# Altium PCB Thermostat_8CH.PCBDOC (part 5 of 10) (continued)
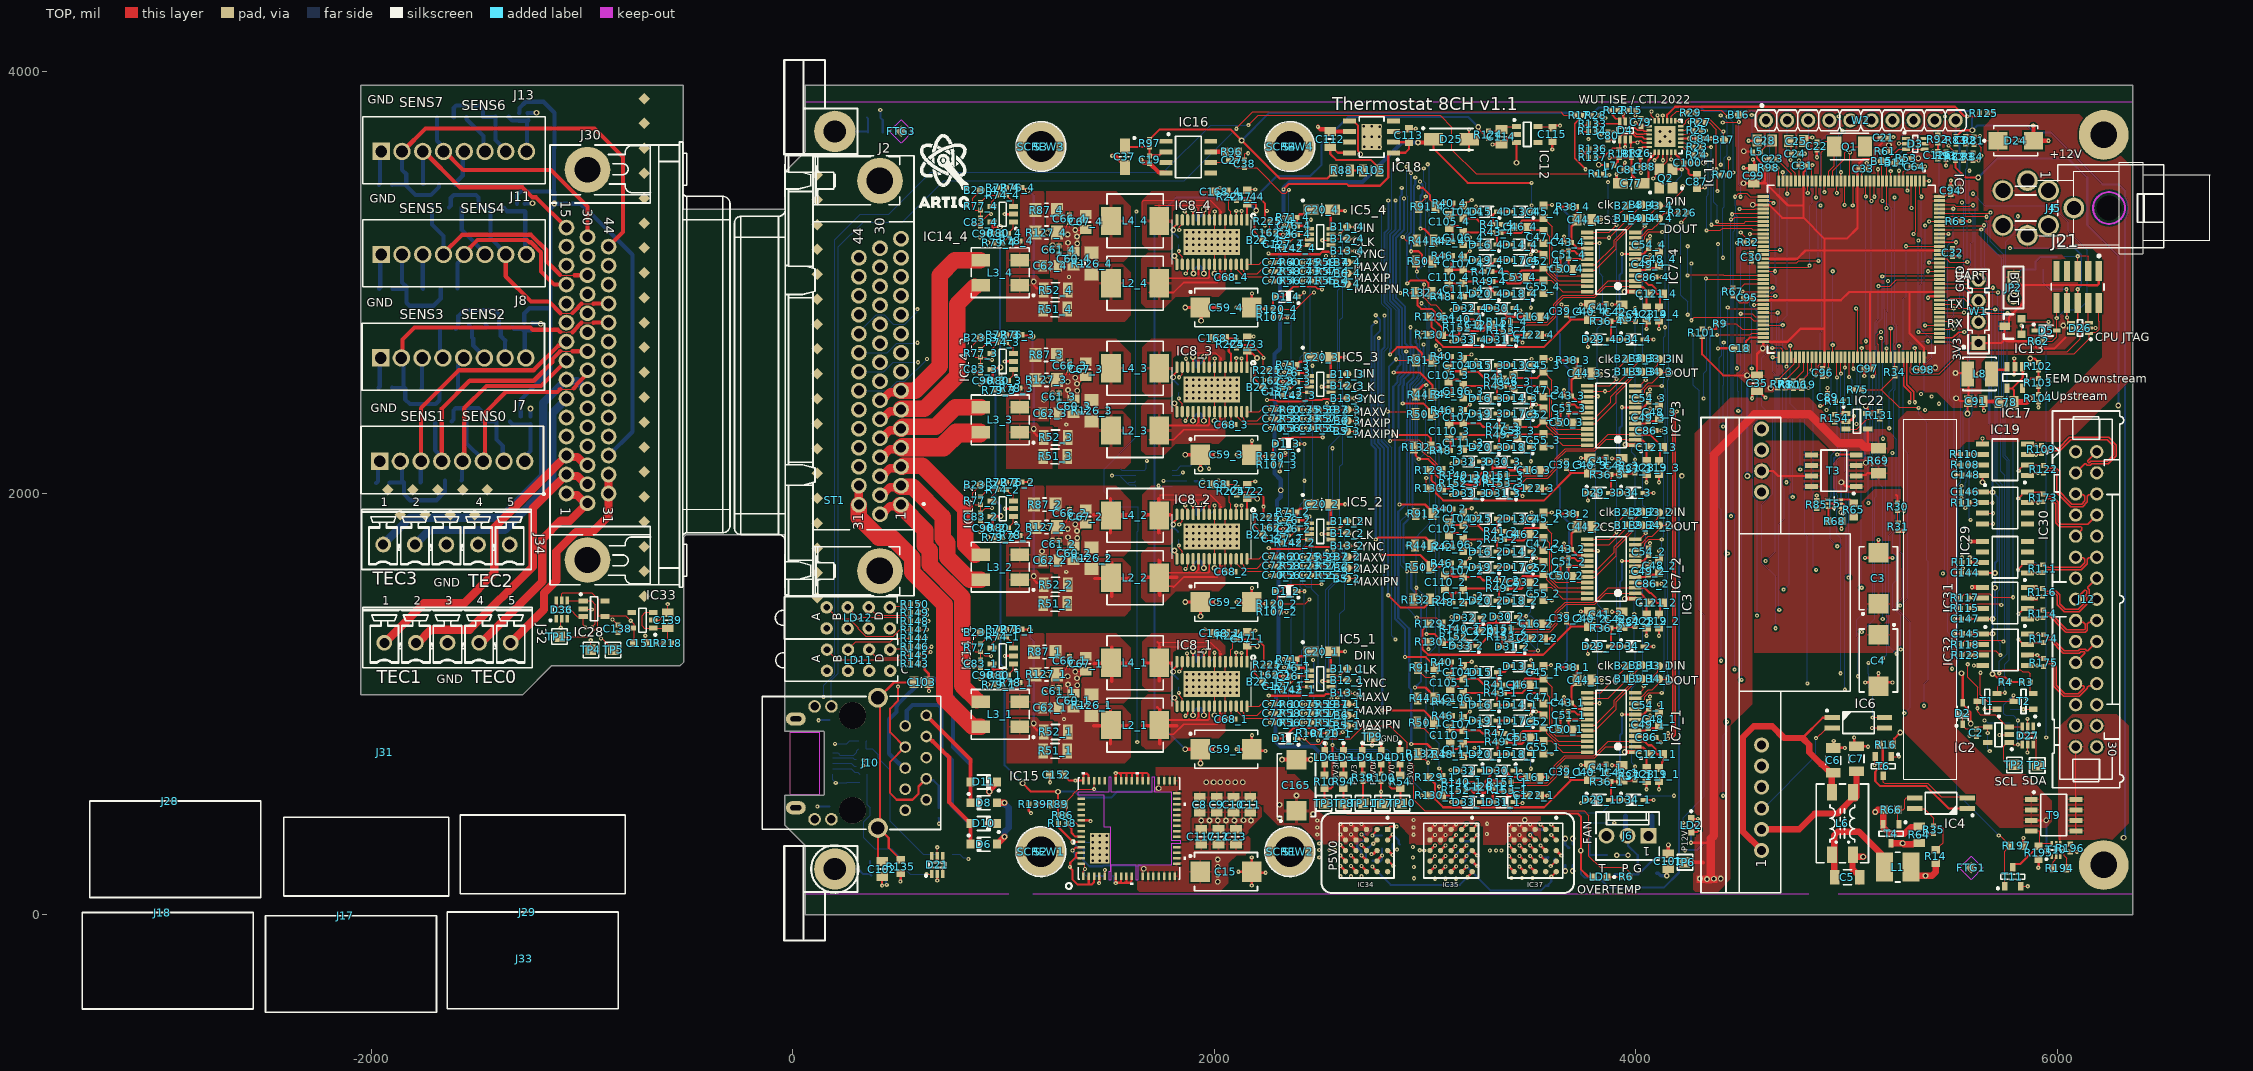
[diagram p0: TOP view]
## Nets (pads, with @x,y where several pads share a name; then routed paths per layer and width w, separated by ;. In a path a pad name is that pad's centre, name@x,y a point inside that pad or via, vN(x,y) a via of type N, cw(c..) or ccw(c..) an arc to the next point about the centre after c; other vN are vias at no path point) (continued)
  TOP w11.81: v1(625.11,1180.36) 625.11,1163.78 645.67,1143.22 C103.2@645.67,1102.36 v1(645.67,1061.94) ; v1(858.34,1176.85) C83_1.1@886.35,1176.85 ; v1(858.34,2574.49) C83_3.1@886.35,2574.49 ; v1(858.34,3273.31) C83_4.1@886.35,3273.31 ; v1(887.86,1817.07) 894.93,1817.07 C90_2.2@912.8,1834.93 903.09,1844.64 903.09,1858.93 891,1871.02 C83_2.1@891,1872 ; v1@894.93,1118.25 C90_1.2@912.8,1136.12 ; v1@894.93,2515.89 C90_3.2@912.8,2533.75 ; v1@894.93,3214.71 C90_4.2@912.8,3232.57 ; v1(1005.35,2625.78) IC14_3.2@1046.66,2625.78 ; v1(1005.35,3324.6) IC14_4.2@1046.66,3324.6 ; v1(1005.68,1228.14) IC14_1.2@1046.66,1228.14 ; v1(1005.68,1926.96) IC14_2.2@1046.66,1926.96 ; R139.1@1119.69,523.62 1119.69,493.06 1129.66,483.09 v1(1129.66,482.2) ; IC15.56@1369.15,447.63 v1@1409.1,447.63 ; v1(2105.59,785.19) C59_1.2@2178.15,785.19 v1(2178.15,851.82) ; v1(2105.59,1484.01) C59_2.2@2178.15,1484.01 v1(2178.15,1550.64) ; v1(2105.59,2182.83) C59_3.2@2178.15,2182.83 v1(2178.15,2249.46) ; v1(2105.59,2881.65) C59_4.2@2178.15,2881.65 v1(2178.15,2948.28) ; v1@2114.72,204.72 C15.2@2177.17,204.72 ; v1(2177.17,138.83) C15.2@2177.17,204.72 ; v1@2177.17,271.83 C15.2@2177.17,204.72 ; C15.2@2182.89,199 v1(2243,199) ; C59_1.2@2186.02,777.32 v1(2242,777.32) ; C59_2.2@2186.02,1476.13 v1(2242,1476.13) ; C59_3.2@2186.02,2174.95 v1(2242,2174.95) ; C59_4.2@2188.52,2876.27 v1(2242,2876.27) ; C162_4.1@2292.32,3236.18 2298.62,3229.88 2304.01,3229.88 2305.54,3228.35 v1@2325.35,3228.35 ; C162_3.1@2297.24,2534.7 2300.91,2531.03 2324.28,2531.03 v1@2324.35,2530.97 ; C127_3.2@2324.35,2497.75 v1@2324.35,2530.97 ; C127_1.2@2325.35,1103.75 v1(2325.79,1131.89) C26_1.2@2359.25,1131.89 ; C127_2.2@2325.35,1804.75 v1(2325.79,1830.71) C26_2.2@2359.25,1830.71 ; C127_4.2@2325.35,3198.75 v1@2325.35,3228.35 ; v1(2331.69,1173.23) C76_1.2@2358.27,1173.23 ; v1(2331.69,1875.83) C76_2.2@2357.44,1875.83 ; v1(2331.69,2574.8) C76_3.2@2358.27,2574.8 ; v1(2331.69,3273.62) C76_4.2@2358.27,3273.62 ; C26_3.2@2359.25,2529.53 v1(2325.79,2529.53) v1@2324.35,2530.97 ; C26_4.2@2359.25,3228.35 v1(2325.79,3228.35) v1@2325.35,3228.35 ; v1(2437.21,861.09) R107_1.2@2464.76,861.09 ; LD6.1@2523.1,779.87 2525.29,782.06 2525.29,810.43 v3(2527.48,812.62) ; IC5_1.8@2553.15,1158.66 2553.15,1241.92 C20_1.2@2560.24,1249.01 v1(2620.37,1249.01) ; IC5_2.8@2553.15,1857.48 2553.15,1940.74 C20_2.2@2560.24,1947.83 v1(2620.37,1947.83) ; IC5_3.8@2553.15,2556.3 2553.15,2639.56 C20_3.2@2560.24,2646.65 2560.89,2646 v1(2620,2646) ; IC5_4.8@2553.15,3255.12 2553.15,3338.38 C20_4.2@2560.24,3345.47 2565.37,3340.34 v1(2620.37,3340.34) ; LD3.1@2612.5,779.87 v3(2612.5,814.31) ; LD9.1@2701.9,779.87 v3(2701.9,814.31) ; v3@2748.21,801.92 TP9.1@2748.21,836.37 ; LD4.1@2791.3,779.87 v3(2791.3,814.31) ; LD10.1@2880.7,779.87 v3@2880.7,814.31 ; v1(3319.63,3655.45) 3362.05,3655.45 C114.2@3362.44,3655.84 3369.33,3655.84 3384.09,3670.6 3384.09,3677.49 3404.54,3697.94 3428.16,3697.94 IC12.2@3433.3,3703.08 ; C77.2@3909,3489.41 v1(3909,3513.78) ; C81.1@3944.67,3535.43 v1@3944.67,3561.49 ; v1(3949.2,3642.59) D4.2@3949.2,3678.35 ; R26.2@4021.45,3594.69 4021.45,3553.15 C88.1@4024.4,3550.2 v1(4024.4,3521.4) ; Q2.2@4174,3537.4 v1(4218.25,3537.4) ; C100.1@4265.82,3565.67 v1(4290.93,3565.67) ; v1(4390,2687.74) C18.1@4463.09,2687.74 ; v1(4511.35,3544.75) 4514.04,3542.07 C99.2@4560.15,3542.07 4562.03,3543.95 4562.03,3573.59 4555.23,3580.39 v1(4555.23,3583.86) ; v1(4515.07,3138.52) C30.2@4549.32,3138.52 ; v1(4535.15,3673.27) C28.1@4575.67,3673.27 ; v1(4552,2451) C35.2@4552,2468.05 ; C35.2@4581.98,2486.22 v1@4614.2,2454 ; R8.2@4708.66,2498.43 4709.84,2497.24 R106.2@4748.03,2497.24 R119.2@4787.4,2497.24 4790.13,2499.97 v1(4819.5,2499.97) ; C25.1@4799.25,3673.68 4813.9,3688.32 v1(4836.96,3688.32) ; v1(4859.66,3594.82) C22.2@4859.66,3630.19 ; v1(4939,825) 4939,793.33 C6.1@4937.01,791.34 v1(4992,791.34) ; R154.1@4944.01,2337.73 4948.05,2341.76 IC22.2@4998.03,2341.76 5003.94,2347.67 5019.36,2347.67 5020.7,2349 5023.67,2349 5033.02,2358.35 5033.02,2365.46 v1(5034.52,2366.96) ; v1(5036.14,840.93) 5036.14,810.31 C7.1@5047.24,799.21 5099.79,799.21 v1(5102,797) ; v1(5083.77,2556.24) C97.2@5083.77,2591.28 ; v1@5088.05,1693.9 5126.64,1693.9 C3.2@5151.57,1718.83 ; v1(5088.71,1102.22) 5133.68,1102.22 C4.2@5151.57,1084.33 ; v1(5095.72,3567.1) 5095.8,3567.03 5095.8,3539.91 C33.2@5095.88,3539.83 ; v1(5151.57,1146.05) C4.2@5151.57,1084.33 ; v1(5151.57,1778.75) C3.2@5151.57,1718.83 ; C21.2@5194.29,3686.21 5196.72,3688.63 5220.2,3688.63 v1(5221.71,3690.14) ; v1(5217.59,1693.7) 5217.25,1694.04 5176.37,1694.04 C3.2@5151.57,1718.83 ; v1(5218.23,1102.22) 5175.53,1102.22 5154.61,1081.3 C4.2@5151.57,1084.33 ; C64.2@5340.66,3550.68 v1(5371.97,3550.68) ; v1(5386.22,2928.15) v1(5386.22,2928.15) 5393.91,2935.77 IC9.120@5441.06,2935.77 ; C94.2@5494.21,3453.49 v1@5494.21,3482.66 ; C32.2@5503.06,3124.74 v1(5535.93,3124.74) ; R63.2@5538.19,3291.34 v1@5581.76,3291.34 ; v1@5648.9,2399.2 C91.2@5648.9,2437.49 ; C78.1@5734.43,2441.74 v1(5758.64,2441.74) ; v1(5795.34,2564.54) 5795.34,2597.21 IC17.2@5798.69,2600.55 IC17.2@5797.21,2599.08 ; IC17.2@5795.74,2600.55 v1(5795.74,2639.58) ; R197.1@5838.58,326.77 v1@5838.58,363.33 ; v1@5911.02,224.06 R195.1@5911.02,262.29
  TOP w13.78: v1(2598.08,330.97) IC34.E3@2622.11,307.07 ; v1(2648.08,280.97) IC34.D4@2672.11,257.07 ; v1(2648.08,330.97) IC34.D3@2672.11,307.07 ; v1(2745.62,287.4) 2746.75,288.53 2753.58,288.53 IC34.B3@2772.11,307.07 ; IC34.B4@2772.11,257.07 v1@2792.95,278.02 ; IC35.E3@3023.25,304.71 v1(3047.15,328.74) ; IC35.D4@3073.25,254.71 v1(3097.15,278.74) ; IC35.D3@3073.25,304.71 v1(3097.15,328.74) ; IC35.C3@3123.25,304.71 3144.09,325.55 v1(3144.09,325.66) ; IC35.B3@3173.25,304.71 3194.09,325.66 v1(3197.15,328.74) ; v1(3398.32,328.45) IC37.E3@3422.36,304.55 ; v1(3448.32,328.45) IC37.D3@3472.36,304.55 ; v1(3498.32,328.45) IC37.C3@3522.36,304.55 ; v1(3548.32,328.45) IC37.B3@3572.36,304.55
  TOP w15.75: C101.1@4154.27,289.48 v3(4154.27,330.96)
  TOP w19.68: v2(2321.09,736.22) C165.2@2389.35,736.39 v2(2457.61,736.56) ; v2(3946.32,2957) 3946.51,2956.81 3996.69,2956.81 IC7_4.1@3996.87,2956.62 ; v2(3948.02,771.85) 3948.15,771.72 3996.74,771.72 IC7_1.1@3996.87,771.59 ; v2(3948.18,1499.93) IC7_2.1@3996.87,1499.93 ; v2(3950.95,2231.77) 3953.09,2231.77 3955.59,2229.26 3995.89,2229.26 IC7_3.1@3996.87,2228.28
  TOP w20: v1(1514.84,3601.38) 1530.51,3601.38 1575.79,3556.1 C37.2@1575.79,3545.28 ; v1(1653.68,3582.68) 1653.68,3579.72 1665.26,3568.15 1690.71,3568.15 1736.45,3522.41 1768.31,3522.41 IC16.4@1770.13,3520.6 ; v1(2491.14,3739) 2502.94,3727.2 2538.54,3727.2 2549.51,3716.24 2641.44,3716.24 IC18.6@2641.73,3715.94 ; C84.1@4326.37,3683.07 v1(4357.34,3683.07) ; R31.1@5245.42,1823.48 5246.35,1822.56 v1(5269.62,1822.56) ; v1(5589,1771.79) IC29.5@5645.41,1771.79 ; v1(5595.02,1553.9) 5595.14,1553.79 IC31.5@5645.41,1553.79 ; C91.2@5648.9,2437.49 5651.05,2435.35 5721.14,2435.35 C78.1@5723.29,2433.2 ; v1(5818.77,3674.66) 5820.21,3673.23 D24.2@5887.8,3673.23 ; v1(5886,3744.89) 5887.8,3743.09 D24.2@5887.8,3673.23 ; v1(5958.3,3673.23) D24.2@5887.8,3673.23
  L2 w5: v1(5034.52,2366.96) v1(5034.52,2366.96) ; v1(5151.57,1146.05) v1@5152,1146.48
  BOT w5: J9.5@188.98,667.32 188.98,640 v1(202.99,625.98) J9.11@255.91,625.98 258.86,628.94 C108.1@316.34,628.94 ; v1(199.99,811.02) J9.10@255.91,811.02 269.88,825 C109.1@311.91,825 ; C14.1@1383.86,350.39 1389.36,344.89 v3(1422.3,344.89) ; v1(1386,217) 1386,190.63 C34.1@1393.76,182.87 ; v1(1513.78,2083.66) 1514.76,2084.65 IC1.7@1627.95,2084.65 ; C1.1@1553.25,2081.69 1588.58,2046.36 ; IC1.5@1627.95,2033.46 1621.59,2039.82 1595.12,2039.82 1588.58,2046.36 ; IC1.6@1627.95,2059.06 1621.59,2052.7 1594.92,2052.7 1588.58,2046.36 ; v1(1735.62,2036) 1738.16,2033.46 IC1.4@1801.18,2033.46 ; C56_1.1@1977.36,1198.58 2001,1222.21 v1(2001,1243) ; C56_2.1@1977.36,1897.39 2001,1921.03 v1(2001,1942) ; C56_3.1@1977.36,2596.21 2002,2620.85 v1(2002,2640) ; C56_4.1@1977.36,3295.03 2002,3319.67 v1(2002,3337) ; C58_1.1@1989.45,989.91 2001.26,978.1 v2(2001.26,946.85) ; C58_2.1@1989.45,1688.73 2001.26,1676.92 v2(2001.26,1645.67) ; C58_3.1@1989.45,2387.55 2001.26,2375.74 v2(2001.26,2344.49) ; C58_4.1@1989.45,3086.37 2001.26,3074.56 v2(2001.26,3043.3) ; v1(2434.15,3051.03) 2480.82,3051.03 2485.44,3046.41 2485.44,3043.69 ; v1(2435.56,2352.21) 2480.82,2352.21 2492.13,2340.9 ; IC38_4.2@2485.44,3013.34 2485.44,3043.69 ; IC38_3.2@2492.13,2316.88 2492.13,2340.9 ; C69_3.1@2570.87,2335.14 2562.93,2343.08 2494.3,2343.08 2492.13,2340.9 ; C69_4.1@2570.87,3024.67 2554.82,3040.71 2488.42,3040.71 2485.44,3043.69 ; C36.1@4156.29,3532.48 4209.36,3532.48 4214.28,3537.4 v1(4218.25,3537.4) 4218.25,3508.25 C65.1@4174.78,3464.78 ; C17.1@5355.09,2721.2 v1(5386.19,2721.2) ; v1@5605,1185 5607,1183 5645.54,1183 IC41.5@5646.65,1181.89 ; IC23.4@5644,2239 5645.42,2240.42 v1(5645.42,2259.84) ; IC39.5@5645.42,1855.37 v1(5695.7,1855.37) ; C29.2@6033.18,3121.94 6035.99,3124.74 v1(6096.85,3124.74) v1@6094.04,3121.94
  BOT w10: v1(116.14,513.78) J9.9@173.23,513.78 ; v1(122.05,923.23) J9.8@173.23,923.23 ; v1(414.37,3818.9) 415.06,3818.21 R220.1@415.06,3782.42 426.18,3771.3 C160.2@426.18,3713.06 ; R223.1@429.4,255.4 429.4,200.1 C161.2@442.49,187.01 442.49,137.97 444.92,140.4 v1(444.92,141.59) ; C85.1@692.02,459.52 692.57,458.97 692.57,432.52 v1(693.12,431.98) ; v1(2434.15,954.58) 2484.44,954.58 2500.98,938.03 ; v1(2435.56,1653.39) 2437.13,1654.96 2477.6,1654.96 2485.44,1647.12 ; IC38_2.2@2488.31,1622.35 2485.44,1625.22 2485.44,1647.12 ; IC38_1.2@2500.98,912.83 2500.98,938.03 ; v1(2547.13,308) v1@2547.13,313.44 ; C69_2.1@2570.87,1631.78 2557.17,1645.48 2534.78,1645.48 2529.21,1651.05 2489.38,1651.05 2485.44,1647.12 ; C69_1.1@2580.87,931.56 2570.89,941.53 2504.49,941.53 2500.98,938.03 ; R219.1@2786.81,253.4 2793.23,259.82 2793.23,264.18 2795.52,266.46 2795.52,280.6 v1(2796.01,281.1) R222.1@2796.01,313.18 ; C159.2@2845.1,336.53 2845.1,314.86 2850.96,309 v1(2866.51,309) ; R221.1@3185.29,250.99 3191.7,257.4 3191.7,270.68 3197.15,276.12 v1(3197.15,278.74) ; v5@3910.11,282.75 v5(3962.89,282.75)
  BOT w11.81: R228.1@2752.02,256.36 2783.85,256.36 R219.1@2786.81,253.4 ; v1(3197.15,278.74) 3197.15,280.43 3220.66,303.94 3220.66,304.72 3226.17,310.24 R230.1@3226.96,310.24 ; v1(3548.32,278.45) 3550.46,278.45 3558.16,270.75 3575.67,270.75 R231.1@3579.95,266.46 3579.95,267.25 R231.1@3585.47,272.76 ; v2(3665.06,361.29) 3665.06,332.95 3679.82,318.19 C166.1@3682.93,318.19 ; C166.1@3700.89,334.41 v2@3700.89,362.75
  BOT w19.68: R156.1@-1977.5,2049 -1969.62,2056.87 -1969.62,2149.89 J7.1@-1961.55,2157.96 ; R162.1@-1965.5,2501 -1961.05,2505.45 -1961.05,2660.05 J8.1@-1963,2662 ; R181.1@-1964.5,3464 -1959.05,3469.45 -1959.05,3622.64 J13.1@-1953.6,3628.09 ; R170.1@-1963.5,2971 -1958.57,2975.92 -1958.57,3134.13 J11.1@-1953.65,3139.06 ; C130.1@-1273,3373.72 -1271.86,3374.86 -1237.14,3374.86 v2(-1236,3376) ; C131.1@-1260,3803.72 -1258.86,3804.86 -1218.14,3804.86 v2(-1217,3806) ; v2(-1245.75,2401.72) -1245.38,2401.35 -1245.38,2365.09 C128.1@-1245,2364.72 ; C129.1@-1236,2808.72 -1233.64,2806.35 -1201.03,2806.35 -1199.13,2804.46 v2(-1197,2804.46)
  BOT w20: v1(5589,1771.79) IC36.4@5645.41,1771.79 ; v1(5595.02,1553.9) 5645.3,1553.9 IC40.4@5645.41,1553.79
  BOT w23.62: J6.1@4060.73,374.48 4076.87,390.62 D12.2@4076.87,467.93
  other v1: 2497.67,272.02 2942.09,271.68 3307.2,304.55 3336.83,304.55 3361.95,304.55 2974.67,305.78 2996.14,305.62 2497.67,307.09 2572.23,307.78 2942.09,321.61 2497.67,338.58 3645.37,699.53 5087.85,1693.7 5652.18,2392.52 5373.03,2395.63 5439,2425.01 5403.87,2458.95
  other v2: 3700.89,361.29 1937.4,447.57 1976.77,447.57 2016.14,447.57 2055.51,447.57 2094.88,447.57 2173.62,447.57 2137.8,448.82
  other v3: 1422.3,255.7 1455.77,255.7 1489.23,255.7 1422.3,285.43 1455.77,285.43 1489.23,285.43 1422.3,315.16 1455.77,315.16 1489.23,315.16 1455.77,344.89 1489.23,344.89 1422.5,374.62 1455.96,374.62 1489.43,374.62 2748.21,805.86 2880.7,817.27 1869.37,1053.35 1898.9,1053.35 1928.43,1053.35 1957.95,1053.35 1987.48,1053.35 2017.01,1053.35 2046.54,1053.35 2076.06,1053.35 2105.59,1053.35 1869.37,1082.87 1898.9,1082.87 1928.43,1082.87 1957.95,1082.87 1987.48,1082.87 2017.01,1082.87 2046.54,1082.87 2076.06,1082.87 2105.59,1082.87 1869.37,1112.4 1898.9,1112.4 1928.43,1112.4 1957.95,1112.4 1987.48,1112.4 2017.01,1112.4 2046.54,1112.4 2076.06,1112.4 2105.59,1112.4 1869.37,1141.93 1898.9,1141.93 1928.43,1141.93 1957.95,1141.93 1987.48,1141.93 2017.01,1141.93 2046.54,1141.93 2076.06,1141.93 2105.59,1141.93 1869.37,1752.17 1898.9,1752.17 1928.43,1752.17 1957.95,1752.17 1987.48,1752.17 2017.01,1752.17 2046.54,1752.17 2076.06,1752.17 2105.59,1752.17 1869.37,1781.69 1898.9,1781.69 1928.43,1781.69 1957.95,1781.69 1987.48,1781.69 2017.01,1781.69 2046.54,1781.69 2076.06,1781.69 2105.59,1781.69 1869.37,1811.22 1898.9,1811.22 1928.43,1811.22 1957.95,1811.22 1987.48,1811.22 2017.01,1811.22 2046.54,1811.22 2076.06,1811.22 2105.59,1811.22 1869.37,1840.75 1898.9,1840.75 1928.43,1840.75 1957.95,1840.75 1987.48,1840.75 2017.01,1840.75 2046.54,1840.75 2076.06,1840.75 2105.59,1840.75
  other v4: 1869.37,2450.98 1898.9,2450.98 1928.43,2450.98 1957.95,2450.98 1987.48,2450.98 2017.01,2450.98 2046.54,2450.98 2076.06,2450.98 2105.59,2450.98 1869.37,2480.51 1898.9,2480.51 1928.43,2480.51 1957.95,2480.51 1987.48,2480.51 2017.01,2480.51 2046.54,2480.51 2076.06,2480.51 2105.59,2480.51 1869.37,2510.04 1898.9,2510.04 1928.43,2510.04 1957.95,2510.04 1987.48,2510.04 2017.01,2510.04 2046.54,2510.04 2076.06,2510.04 2105.59,2510.04 1869.37,2539.57 1898.9,2539.57 1928.43,2539.57 1957.95,2539.57 1987.48,2539.57 2017.01,2539.57 2046.54,2539.57 2076.06,2539.57 2105.59,2539.57 1869.37,3149.8 1898.9,3149.8 1928.43,3149.8 1957.95,3149.8 1987.48,3149.8 2017.01,3149.8 2046.54,3149.8 2076.06,3149.8 2105.59,3149.8 1869.37,3179.33 1898.9,3179.33 1928.43,3179.33 1957.95,3179.33 1987.48,3179.33 2017.01,3179.33 2046.54,3179.33 2076.06,3179.33 2105.59,3179.33 1869.37,3208.86 1898.9,3208.86 1928.43,3208.86 1957.95,3208.86 1987.48,3208.86 2017.01,3208.86 2046.54,3208.86 2076.06,3208.86 2105.59,3208.86 1869.37,3238.39 1898.9,3238.39 1928.43,3238.39 1957.95,3238.39 1987.48,3238.39 2017.01,3238.39 2046.54,3238.39 2076.06,3238.39 2105.59,3238.39 2746.27,3643.33 2783,3643 2711,3644 2712,3691 2747,3693 2783,3693 2784,3740 2709,3741 2747,3741
  other v5: 3910.08,282.79 4114.95,3669.29 4162.19,3669.29 4138.57,3692.91 4114.95,3716.54 4162.2,3716.53
HWREV0: IC9.77 R7.1 | length 145.1
  TOP w5: R7.1@4673.23,2535.43 4674.02,2535.43 4752.61,2614.03 4752.61,2641.02 IC9.77@4757,2645.41
HWREV1: IC9.78 R8.1 | length 138.6
  TOP w5: R8.1@4708.66,2535.43 4709.45,2535.43 4776.69,2602.67 IC9.78@4776.69,2645.41
HWREV2: IC9.79 R106.1 | length 131.6
  TOP w5: R106.1@4748.03,2534.25 4748.82,2534.25 4796.37,2581.8 IC9.79@4796.37,2645.41
HWREV3: IC9.80 R119.1 | length 123.5
  TOP w5: R119.1@4787.4,2534.25 4788.19,2534.25 4816.06,2562.12 IC9.80@4816.06,2645.41
I2C1_SCL: IC9.139 R3.1 T2.2 | length 2715.4
  TOP w5: IC9.139@5441.06,3309.78 5485.4,3309.78 5489.61,3314 5662.78,3314 v1(5664.66,3312.13) ; v1(5724.42,1146) 5741.7,1163.28 5824.93,1163.28 5835.04,1153.18 5862.22,1153.18 5872.32,1143.07 R3.1@5872.32,1103.94 5872.32,1060.1 5882.62,1049.8 T2.2@5885.32,1049.8
  BOT w5: v1(5664.66,3312.13) 5664.66,3283.92 5670.34,3278.23 5670.34,3181.66 5735.55,3116.45 5735.55,2961.04 5735.85,2960.75 5735.85,2457.61 5731.3,2453.06 5731.3,2430.41 5742.89,2418.82 5742.89,2173.08 5761.77,2154.2 5761.77,1239.13 5724.42,1201.79 v1(5724.42,1146)
I2C1_SDA: IC9.140 R4.1 T1.2 | length 2665.5
  TOP w5: IC9.140@5441.06,3329.47 5680.41,3329.47 v1(5682.92,3331.98) ; R4.1@5736.95,1103.94 5736.95,1103.15 5717.03,1083.24 5717.03,1053.26 v1(5751.46,1053.26)
  BOT w5: v1(5682.92,3331.98) 5682.92,3331.92 5682,3331 5682,3195 5745.55,3131.45 5745.55,2965.19 5745.85,2964.89 5745.85,2453.47 5741.3,2448.92 5741.3,2434.56 5752.89,2422.96 5752.89,2177.22 5772.74,2157.38 5772.74,1210.49 5751.46,1189.21 v1(5751.46,1053.26)
I2C_SCL: D27.4 IC1.2 IC2.1 J12.27 T2.3 TP2.1 | length 6039.4
  TOP w5: v1(5635.57,1148.62) 5635.57,1045.14 5668.31,1012.4 T2.3@5794.76,1012.4 5792.07,1015.1 v1(5792.07,1040.93) ; TP2.1@5796.65,710.7 5764.15,710.7 5746.16,728.7 5746.16,800.63 5762.54,817.02 5782.22,817.02 5792.07,807.17 v1(5813.1,807.17) D27.4@5834.13,807.17
  L2 w5: v1(1850.61,2099.41) 1920.45,2099.41 1925.24,2094.62 2276.17,2094.62 2302.86,2121.3 2940.91,2121.3 2970.08,2092.13 4157.42,2092.13 4211.61,2146.32 4545.14,2146.32 4547.47,2148.65 4649.36,2148.65 4651.68,2146.32 4878.68,2146.32 4901.76,2123.24 5127.24,2123.24 v1(5177,2173) ; v1(5173,1217) 5511.23,1217 5579.61,1148.62 v1(5635.57,1148.62) ; v1(5813.04,922) 5838.25,896.79 J12.27@6087.18,896.79
  BOT w5: IC1.2@1801.18,2084.65 1835.84,2084.65 v1(1850.61,2099.41) ; v1(5173,1217) 5190,1234 5190,1434.55 5185.04,1439.51 5185.04,2137.63 5177,2145.67 v1(5177,2173) ; v1(5792.07,1040.93) 5747,995.87 5747,954 5755,946 5790.33,946 v1@5813.1,923.23 ; v1(5813.1,807.17) v1(5813.04,922)
I2C_SDA: D27.3 IC1.1 IC2.3 J12.26 T1.3 TP1.1 | length 6156
  TOP w5: v1(5575.07,1188.98) 5575.07,1127.83 5623.03,1079.87 T1.3@5623.03,1012.41 5621,1010.38 v1(5621,980) 5621.57,979.43 5621.57,962.66 5635.57,948.66 5705.7,948.66 5762.54,891.82 IC2.3@5772.38,891.82 5832.17,891.82 D27.3@5834.13,893.79 5834.13,867.59 5853.44,848.28 5881.39,848.28 5900.69,828.98 5900.69,712.97 TP1.1@5905,708.66
  L2 w5: v1(1974.33,2116.75) 1988.88,2131.3 2945.05,2131.3 2955.9,2120.45 3459.14,2120.45 3465.5,2126.81 3806.3,2126.81 3821.73,2111.38 4162.53,2111.38 4209.8,2158.65 4703.64,2158.65 4710.79,2165.8 5145.28,2165.8 5169.82,2190.34 5216.44,2190.34 v1(5217.34,2191.25) ; v1(5237.65,1238.64) 5239.09,1237.2 5526.84,1237.2 v1(5575.07,1188.98) ; v1(5621,980) 5621,985 5646.89,1010.89 5957.89,1010.89 5982.78,1035.78 6148.18,1035.78 6181.15,1002.82 6187.18,1002.82 J12.26@6187.18,996.79
  BOT w5: IC1.1@1801.18,2110.24 1821.85,2110.24 1841.29,2129.68 1888.33,2129.68 1895.83,2137.18 1951.08,2137.18 1971.51,2116.75 v1(1974.33,2116.75) ; v1(5217.34,2191.25) 5217.34,1818.58 5200.25,1801.49 5200.25,1273.18 5234.78,1238.64 v1(5237.65,1238.64)
I_meas_P12V0: C89.1 IC9.20 R141.2 | length 1270.3
  TOP w5: v1(4875.11,2414.92) 4877.92,2417.73 4888.79,2417.73 C89.1@4909.86,2438.79 4946.23,2438.79 R141.2@4947.53,2437.49 ; v1(4991,3368.13) 4992.11,3369.24 4992.11,3478.7 4991,3479.81 IC9.20@4993.22,3482.03
  L2 w5: v1(4877,3366.5) v1@4991,3366.5
  BOT w5: v1(4875.11,2414.92) 4875.11,2760.4 4883.48,2768.77 4883.48,3356.04 4877,3362.52 v1(4877,3366.5)
ITEC0: IC9.41 R225_1.1 | length 4515.2
  TOP w5: R225_1.1@2301.73,1185.67 2301.73,1167.78 v1(2314.92,1154.59) ; v1(4457,3324) 4460.97,3324 4466.44,3329.47 IC9.41@4604.44,3329.47
  L2 w5: v1(2314.92,1154.59) 2316.22,1155.89 3925.09,1155.89 3932.6,1163.4 v1(4469,1163.4)
  BOT w5: v1(4457,3324) 4457,3323.43 4468.98,3311.45 4468.98,3247.88 4462.45,3241.36 4462.45,2953.7 4463.34,2952.81 4463.34,2600.97 4463.06,2600.69 4463.06,1904.85 4469,1898.92 v1(4469,1163.4)
ITEC1: IC9.42 R225_2.1 | length 3751.2
  TOP w5: R225_2.1@2296.26,1884.51 2296.26,1883.73 2305.18,1874.81 v1@2313.5,1866.49 ; v1(4451.63,3299.91) 4451.74,3300.01 4460.37,3300.01 4470.14,3309.78 IC9.42@4604.44,3309.78
  L2 w5: v1(2310.38,1863.37) 2314.12,1863.37 2321.96,1855.53 3617.29,1855.53 3653.5,1891.73 v1(4451.66,1891.73)
  BOT w5: v1(4451.66,1891.73) 4451.66,2603.42 4453.34,2605.11 4453.34,2948.67 4451.63,2950.38 v1(4451.63,3299.91)
ITEC2: IC9.46 R225_3.1 | length 3009.9
  TOP w5: R225_3.1@2296.89,2581.86 2296.89,2581.07 2305.81,2572.15 v1@2313.52,2564.44 ; v1(4541.34,3230.32) 4541.7,3230.68 4604.08,3230.68 IC9.46@4604.44,3231.04
  L2 w5: v1(2310.78,2561.69) 2312.76,2561.69 2321.96,2552.49 2321.96,2552.09 3047.8,2553.52 3076.4,2582.13 3893.4,2582.13 3918.32,2557.2 4468.63,2557.2 4504.03,2592.6 v1(4550.43,2592.6)
  BOT w5: v1(4541.34,3230.32) 4541.34,2889.17 4550.43,2880.07 v1(4550.43,2592.6)
ITEC3: IC9.47 R225_4.1 | length 2368.7
  TOP w5: R225_4.1@2300.33,3291.71 2308.56,3283.49 2308.56,3275.71 2310.67,3273.6 2310.67,3264.17 2318.76,3256.08 v1(2318.76,3252.6) ; v1(4497.75,3237.57) 4522.35,3212.97 4565.01,3212.97 4566.62,3211.36 IC9.47@4604.44,3211.36
  L2 w5: v1@2312.4,3254.29 2319.82,3246.87 2660.05,3246.87 2669.35,3237.57 4074.2,3237.57 4088.89,3222.89 4483.06,3222.89 v1(4497.75,3237.57)
JRST: IC9.134
LED0: IC9.124 R143.1 | length 6540.5
  TOP w5: R143.1@595.85,1191.18 595.85,1191.97 650.99,1247.1 v1(653.35,1247.1) ; v1(5151.57,2983.27) 5205.39,2983.27 5236.63,3014.51 IC9.124@5441.06,3014.51
  L2 w5: v1(653.35,1247.1) 657.32,1247.1 664.32,1254.1 665.32,1254.1 727.05,1315.83 1988.43,1315.83 2038.37,1365.76 2997.45,1365.76 3021.3,1341.91 v1(5071.96,1341.91)
  BOT w5: v1(5071.96,1341.91) 5134.23,1404.18 5134.23,1979.32 5141.95,1987.04 5141.95,2562.18 5135.97,2568.16 5135.97,2812.15 5151.57,2827.75 v1(5151.57,2983.27)
LED1: IC9.125 R144.1 | length 6579
  TOP w5: R144.1@595.85,1312.47 v1(632.09,1312.47) ; v1(5169.29,3029.37) 5171.7,3031.78 5438.65,3031.78 IC9.125@5441.06,3034.19
  L2 w5: v1(632.09,1312.47) 632.09,1313.82 633.44,1313.82 702.49,1382.87 1942.39,1382.87 1968.94,1409.42 2620.05,1409.42 2661.46,1450.83 3612.89,1450.83 3618.59,1456.54 4131.51,1456.54 4151.41,1436.63 4584.13,1436.63 4617.61,1403.16 v1(5171.87,1403.16)
  BOT w5: v1(5169.29,3029.37) 5169.29,2831.33 5145.97,2808.01 5145.97,2649.88 5155.66,2640.2 5155.66,2044.27 5171.87,2028.05 v1(5171.87,1403.16)
LED2: IC9.59 R145.1 | length 5886.5
  TOP w5: R145.1@595.85,1231.61 614.77,1231.61 632.56,1249.4 632.56,1250.84 650.35,1268.63 654.64,1268.63 v1(657.45,1271.44) ; IC9.59@4604.44,2975.14 4604.57,2975.27 4649.48,2975.27 v1(4649.61,2975.39)
  L2 w5: v1(657.45,1271.44) 659.11,1273.1 659.94,1273.1 712.66,1325.83 1951.3,1325.83 2001.24,1375.76 3316.64,1375.76 3333.15,1359.25 v1(4663.39,1359.25)
  BOT w5: v1(4649.61,2975.39) 4623.42,2949.21 4623.42,2667.25 4598.73,2642.55 4598.73,2413 4649.79,2361.94 4649.79,1997.93 4598.73,1946.88 4598.73,1671.41 4663.39,1606.75 v1(4663.39,1359.25)
LED3: IC9.63 R146.1 | length 5609.2
  TOP w5: R146.1@595.85,1272.04 596.2,1272.38 v1(629.58,1272.38) ; v1(4561.56,2893.47) 4570.01,2893.47 4572.94,2896.4 IC9.63@4604.44,2896.4
  L2 w5: v1(629.58,1272.38) 630.26,1272.38 730.76,1372.87 1946.53,1372.87 1973.08,1399.42 2624.19,1399.42 2658.36,1433.59 3609.78,1433.59 3618.96,1442.76 3711.19,1442.76 3733.73,1420.22 3937.86,1420.22 3948.63,1409.45 4254.95,1409.45 4264.8,1419.29 v1(4575.09,1419.29)
  BOT w5: v1(4561.56,2893.47) 4561.56,2876.87 4575.09,2863.34 4575.09,2344.68 4553.92,2323.5 4553.92,1987.93 4575.09,1966.76 v1(4575.09,1419.29)
LED4: IC9.65 R147.1 | length 5667.2
  TOP w5: R147.1@595.85,1352.9 v1(636.56,1352.9) ; IC9.65@4604.44,2857.03 v1(4673.23,2857.03)
  L2 w5: v1(636.56,1352.9) 676.99,1393.33 1861.74,1393.33 1906,1437.6 1983.03,1437.6 2001.2,1419.42 2615.91,1419.42 2657.32,1460.83 3608.74,1460.83 3614.45,1466.54 4135.65,1466.54 4155.56,1446.63 v1(4680.73,1446.63)
  BOT w5: v1(4673.23,2857.03) 4673.23,2821.63 4669.67,2818.07 4669.67,2596.94 4671.04,2595.56 4671.04,2391.49 4704.35,2358.18 4704.35,2085.61 4697.01,2078.27 4697.01,2028.52 4704.35,2021.17 4704.35,1878.59 4679.4,1853.65 4679.4,1447.96 v1(4680.73,1446.63)
LED5: IC9.132 R148.1 | length 6596.1
  TOP w5: R148.1@595.85,1393.33 v1(643.31,1393.33) ; v1(5282.48,3172.15) 5282.56,3172.07 5440.98,3172.07 IC9.132@5441.06,3171.99
  L2 w5: v1(643.31,1393.33) 647.29,1393.33 657.29,1403.33 1857.6,1403.33 1901.86,1447.6 1987.17,1447.6 1995.97,1438.79 2320.02,1438.79 2337.61,1456.38 2638.72,1456.38 2653.18,1470.83 3604.6,1470.83 3610.31,1476.54 4608.33,1476.54 4611.4,1473.47 5237.34,1473.47 5241,1469.81 5251.43,1469.81 v1(5254.24,1467)
  BOT w5: v1(5254.24,1467) 5289.74,1502.5 5289.74,2190.78 5269.83,2210.69 5269.83,2923.38 5282.48,2936.02 v1(5282.48,3172.15)
LED6: IC9.68 R149.1 | length 5541.7
  TOP w5: R149.1@595.85,1433.76 606.68,1422.93 v1(635.92,1422.93) ; IC9.68@4604.44,2797.97 v1(4697.01,2797.97)
  L2 w5: v1(635.92,1422.93) 1863.05,1422.93 1897.72,1457.6 1991.31,1457.6 2000.12,1448.79 2315.88,1448.79 2333.47,1466.38 2540.25,1466.38 2554.7,1480.83 3544.57,1480.83 3584.95,1521.21 4679.91,1521.21 v1(4701.54,1542.84)
  BOT w5: v1(4697.01,2797.97) 4697.67,2797.31 4697.67,2393.14 4731.69,2359.12 4731.69,1993.22 4727.66,1989.18 4727.66,1568.95 v1(4701.54,1542.84)